# Altium PCB spin5v1_simple.PcbDoc (part 18 of 25)
Units mm, origin at the board's own origin, x right, y up, seen from the top; angles counter-clockwise.
Board outline 220.03 x 233.43 mm, 2 copper layers (TOP, BOTTOM), stack 0.176 mm thick; 1457 components, 4724 nets, 19245 pads, 25289 vias.
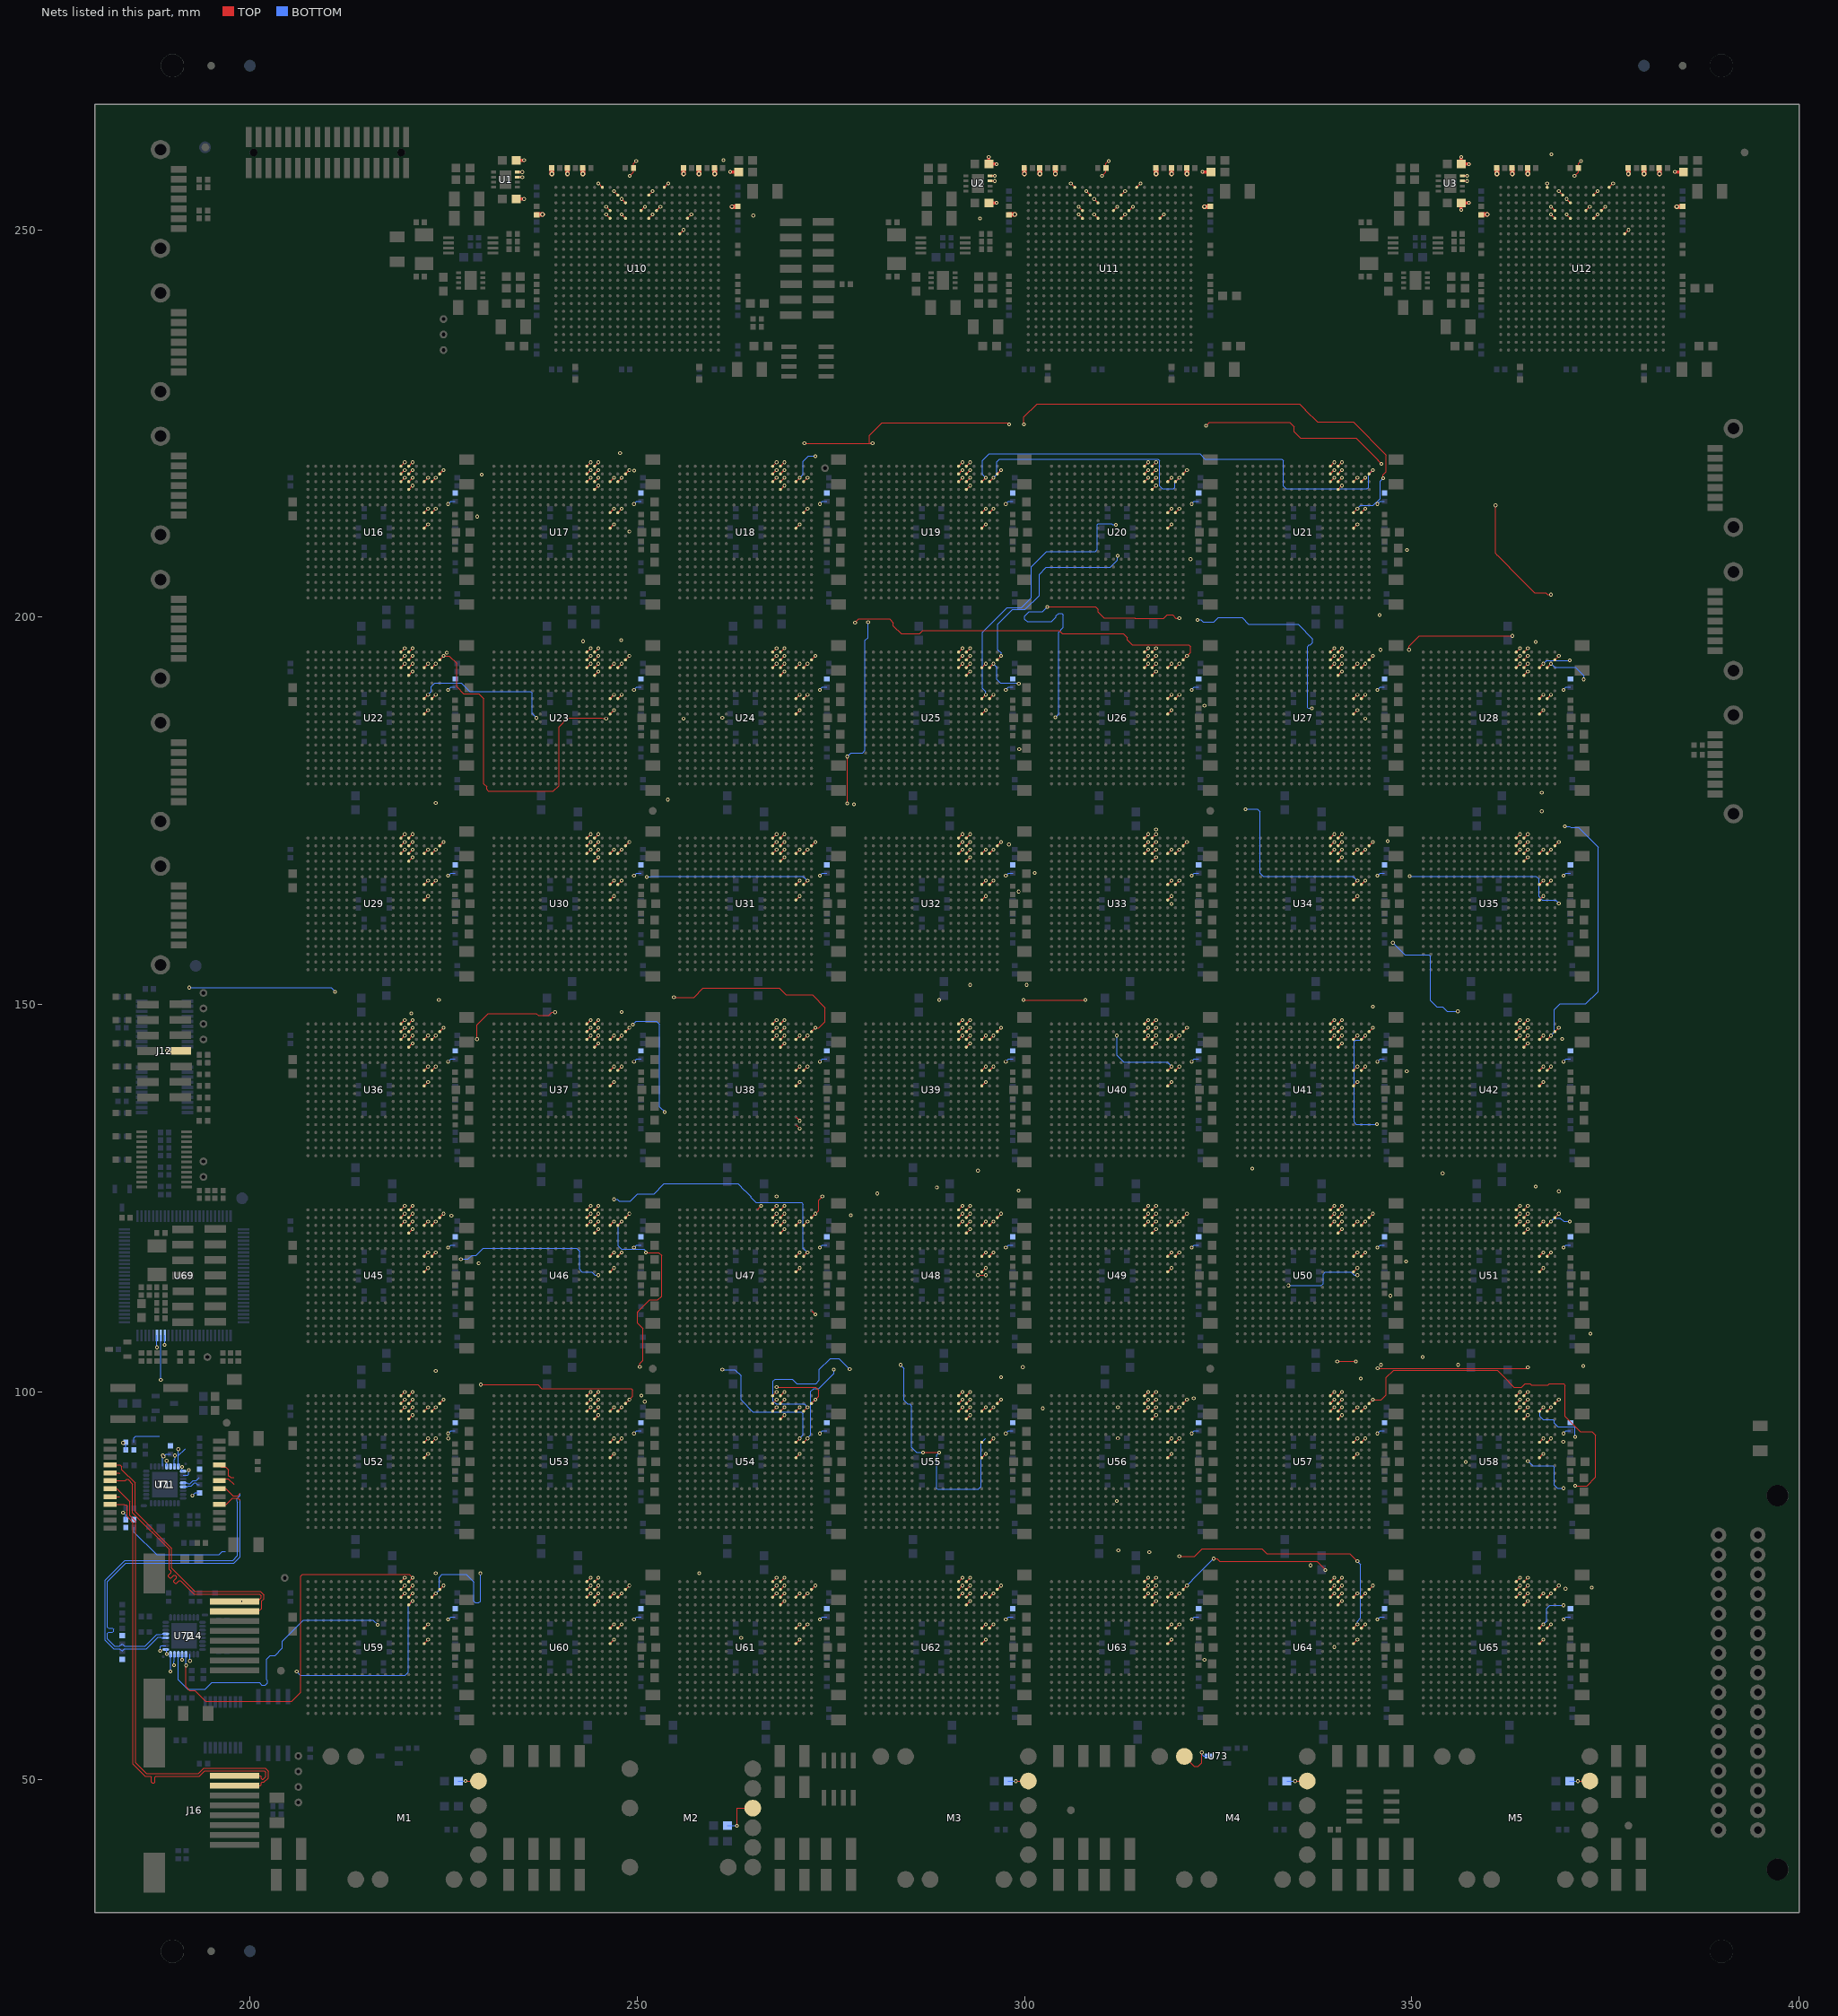
[diagram p18: the nets of this part, all layers, seen from the top]

## Via types
v1: diameter 0.48, hole 0.25, TOP to BOTTOM, 22348 vias
v2: diameter 0.61, hole 0.3, TOP to BOTTOM, 2059 vias
v3: diameter 0.8, hole 0, TOP to BOTTOM, 882 vias

## Nets (pads, with @x,y where several pads share a name; then routed paths per layer and width w, separated by ;. In a path a pad name is that pad's centre, name@x,y a point inside that pad or via, vN(x,y) a via of type N, cw(c..) or ccw(c..) an arc to the next point about the centre after c; other vN are vias at no path point) (continued)
TMS_3: J12.7 U16.C17 U17.C17 U18.C17 U19.C17 U20.C17 U21.C17 U22.C17 U23.C17 U24.C17 U25.C17 U26.C17 U27.C17 U28.C17 U29.C17 U30.C17 U31.C17 U32.C17 U33.C17 U34.C17 U35.C17 U36.C17 U37.C17 U38.C17 U39.C17 U40.C17 U41.C17 U42.C17 U45.C17 U46.C17 U47.C17 U48.C17 U49.C17 U50.C17 U51.C17 U52.C17 U53.C17 U54.C17 U55.C17 U56.C17 U57.C17 U58.C17 U59.C17 U60.C17 U61.C17 U62.C17 U63.C17 U64.C17 U65.C17 | length 257.1
  TOP w0.127: v1(250.345,103.24) 250.345,103.671 250.74,104.066 250.74,108.177 250.069,108.848 250.069,110.342 251.593,111.866 252.658,111.866 253.166,112.374 253.166,117.595 252.769,117.992 v1(251.107,117.992) ; v1(271.6,222.456) 279.968,222.456 ; v1(277.141,175.965) v1(277.141,182.025) ; v1(280.399,222.456) 279.968,222.456 ; v1(298.024,224.884) 297.793,225.115 281.619,225.115 279.968,223.464 279.968,222.456 ; v1(349.665,195.801) 349.665,196.255 350.999,197.589 v1(363,197.589)
  BOTTOM w0.127: v1(192.16,152.191) 210.47,152.191 v1(211,151.661) ; v1(224,74) 224.431,74.431 224.431,76.05 224.812,76.431 227.943,76.431 228.896,75.478 228.896,72.968 229.095,72.769 229.559,72.769 229.758,72.968 v1(229.758,76.57) ; v1(248,122) 247.569,121.569 247.569,118.812 247.95,118.431 250.867,118.431 251.107,118.191 v1(251.107,117.992) ; v1(249.431,147.43) 249.862,147.861 252.499,147.861 252.896,147.464 252.896,136.794 v1(253.556,136.134) ; v1(272,98) 271.569,98.431 267.95,98.431 267.569,98.812 267.569,101.394 267.823,101.648 270.058,101.648 270.62,101.086 273.083,101.086 273.528,101.531 273.528,102.917 274.925,104.314 276.059,104.314 v1(277.437,102.936) ; v1(277.141,182.025) 277.616,182.5 279.113,182.5 279.431,182.818 279.431,196.997 279.824,197.39 v1(279.824,199.358) ; v1(296,194) 296.432,193.568 296.432,191.949 296.877,191.504 299.214,191.504 v1(299.275,191.443) ; v1(296,218) 296.431,218.431 296.431,220.05 296.812,220.431 317.232,220.431 317.431,220.232 317.431,216.95 317.812,216.569 319.232,216.569 319.431,216.768 319.431,217.431 v1(320,218) ; v1(344,146) 343.431,145.431 342.768,145.431 342.569,145.232 342.569,134.812 342.823,134.558 v1(345.52,134.558) ; v1(368,122) 368.431,122.431 369.178,122.431 369.609,122 v1(370.431,122) ; v1(368,146) 368.432,146.432 368.432,149.331 369.194,150.093 372.496,150.093 374.084,151.681 374.084,170.304 371.544,172.844 370.566,172.844 370.403,173.007 v1(369.8,173.007) ; v1(368,194) 368.469,193.531 371.148,193.531 372.228,192.451 v1(372.228,191.97)
  other v1: 248,74 272,74 296,74 320,74 344,74 368,74 369.862,74.6 224,98 248,98 296,98 320,98 344,98 368,98 250.983,98.742 321.862,99.178 299.805,103.204 372.171,103.339 346.038,103.486 373.073,107.499 229.542,116.593 349.265,116.838 224,122 272,122 296,122 320,122 344,122 226.014,122.742 277.596,122.799 299.255,125.978 294,128.567 189.278,144.04 224,146 248,146 272,146 296,146 320,146 220.849,148.861 344.999,149.74 300.3,152.542 319,162.996 299.267,164.591 224,170 248,170 272,170 296,170 320,170 344,170 368,170 298,170.672 346.9,171.081 253.963,176.457 299.333,182.958 256,186.931 224,194 248,194 272,194 320,194 344,194 225.431,195.431 345.99,195.801 224,218 248,218 272,218 344,218 229.917,218.4
TRES: R165.1 U63.J16
  other v1: 319,68 321.592,70.629
TRES_48: R166.1 U62.J16
  other v1: 295,68 297.592,70.629
TRES_49: R167.1 U61.J16
  other v1: 271,68 273.592,70.629
TRES_50: R168.1 U60.J16
  other v1: 247,68 249.592,70.629
TRES_51: R58.1 U28.J16
  other v1: 367,188 369.592,190.629
TRES_52: R46.1 U21.J16
  other v1: 343,212 345.592,214.629
TRES_53: R48.1 U19.J16
  other v1: 295,212 297.592,214.629
TRES_54: R49.1 U18.J16
  other v1: 271,212 273.592,214.629
TRES_55: R50.1 U17.J16
  other v1: 247,212 249.592,214.629
TRES_56: R61.1 U25.J16
  other v1: 295,188 297.592,190.629
TRES_57: R47.1 U20.J16
  other v1: 319,212 321.592,214.629
TRES_58: R59.1 U27.J16
  other v1: 343,188 345.592,190.629
TRES_59: R72.1 U35.J16
  other v1: 367,164 369.592,166.629
TRES_60: R90.1 U42.J16
  other v1: 367,140 369.592,142.629
TRES_61: R73.1 U34.J16
  other v1: 343,164 345.592,166.629
TRES_62: R60.1 U26.J16
  other v1: 319,188 321.592,190.629
TRES_63: R62.1 U24.J16
  other v1: 271,188 273.592,190.629
TRES_64: R63.1 U23.J16
  other v1: 247,188 249.592,190.629
TRES_65: R51.1 U16.J16
  other v1: 223,212 225.592,214.629
TRES_66: R116.1 U51.J16
  other v1: 367,116 369.592,118.629
TRES_67: R91.1 U41.J16
  other v1: 343,140 345.592,142.629
TRES_68: R74.1 U33.J16
  other v1: 319,164 321.592,166.629
TRES_69: R75.1 U32.J16
  other v1: 295,164 297.592,166.629
TRES_70: R76.1 U31.J16
  other v1: 271,164 273.592,166.629
TRES_71: R77.1 U30.J16
  other v1: 247,164 249.592,166.629
TRES_72: R64.1 U22.J16
  other v1: 223,188 225.592,190.629
TRES_73: R133.1 U58.J16
  other v1: 367,92 369.592,94.629
TRES_74: R117.1 U50.J16
  other v1: 343,116 345.592,118.629
TRES_75: R92.1 U40.J16
  other v1: 319,140 321.592,142.629
TRES_76: R93.1 U39.J16
  other v1: 295,140 297.592,142.629
TRES_77: R94.1 U38.J16
  other v1: 271,140 273.592,142.629
TRES_78: R95.1 U37.J16
  other v1: 247,140 249.592,142.629
TRES_79: R96.1 U36.J16
  other v1: 223,140 225.592,142.629
TRES_80: R78.1 U29.J16
  other v1: 223,164 225.592,166.629
TRES_81: R163.1 U65.J16
  other v1: 367,68 369.592,70.629
TRES_82: R134.1 U57.J16
  other v1: 343,92 345.592,94.629
TRES_83: R118.1 U49.J16
  other v1: 319,116 321.592,118.629
TRES_84: R119.1 U48.J16
  other v1: 295,116 297.592,118.629
TRES_85: R120.1 U47.J16
  other v1: 271,116 273.592,118.629
TRES_86: R121.1 U46.J16
  other v1: 247,116 249.592,118.629
TRES_87: R122.1 U45.J16
  other v1: 223,116 225.592,118.629
TRES_88: R164.1 U64.J16
  other v1: 343,68 345.592,70.629
TRES_89: R135.1 U56.J16
  other v1: 319,92 321.592,94.629
TRES_90: R136.1 U55.J16
  other v1: 295,92 297.592,94.629
TRES_91: R137.1 U54.J16
  other v1: 271,92 273.592,94.629
TRES_92: R138.1 U53.J16
  other v1: 247,92 249.592,94.629
TRES_93: R139.1 U52.J16
  other v1: 223,92 225.592,94.629
TRES_94: R169.1 U59.J16
  other v1: 223,68 225.592,70.629
TT_12A: M1.9 R192.2 | length 2.6
  TOP w0.127: v1(227.842,49.77) M1.9@229.515,49.77
  BOTTOM w0.127: R192.2@226.9,49.75 227.842,49.75 v1(227.842,49.77)
TT_12B: M3.9 R191.2 | length 2.6
  TOP w0.127: v1(298.898,49.75) 300.515,49.75 M3.9@300.515,49.77
  BOTTOM w0.127: R191.2@297.9,49.75 v1(298.898,49.75)
TT_12C: M5.9 R189.2 | length 2.6
  TOP w0.127: v1(371.455,49.75) 373.015,49.75 M5.9@373.015,49.77
  BOTTOM w0.127: R189.2@370.4,49.75 v1(371.455,49.75)
TT_18: M4.9 R190.2 | length 2.6
  TOP w0.127: v1(334.955,49.75) 336.515,49.75 M4.9@336.515,49.77
  BOTTOM w0.127: R190.2@333.9,49.75 v1(334.955,49.75)
TT_33: M2.8 R197.2 | length 5.5
  TOP w0.127: v1(262.898,44) 262.898,46.27 M2.8@264.93,46.27
  BOTTOM w0.127: R197.2@261.65,44 v1(262.898,44)
TX1_MINUS: J16.2 T1.19 | length 61.2
  TOP w0.125: T1.19@181.95,87.51 182.836,87.51 184.496,85.85 184.496,84.023 185.252,83.267 185.252,52.106 186.621,50.737 193.363,50.737 194.038,51.412 201.985,51.412 202.367,51.03 202.367,50.172 201.838,49.643 201.578,49.643 201.453,49.518 201.453,49.295 201.328,49.17 J16.2@198,49.17
TX1_PLUS: J16.1 T1.21 | length 60.7
  TOP w0.125: T1.21@181.95,85.47 183.746,85.47 183.778,85.438 184.046,85.438 184.171,85.313 184.171,83.888 184.927,83.132 184.927,51.971 186.486,50.412 187.133,50.412 187.258,50.287 187.258,49.625 187.383,49.5 187.633,49.5 187.758,49.625 187.758,50.287 187.883,50.412 193.498,50.412 194.173,51.087 201.85,51.087 202.042,50.895 202.042,50.307 201.703,49.968 201.578,49.968 201.453,50.093 201.453,50.315 201.328,50.44 J16.1@198,50.44
TX2_MINUS: J14.2 T1.16 | length 57.2
  TOP w0.062: T1.16@181.95,90.57 183.235,90.57 183.462,90.343 183.462,89.948 185.171,88.239 ; 185.171,84.535 189.895,79.811 ; 189.895,77.243 192.917,74.221 ; J14.2@198,71.67 201.129,71.67 201.516,72.057 201.516,73.011 201.793,73.288 ; 201.372,74.221 201.793,73.8
  TOP w0.125: T1.16@181.95,90.57 183.235,90.57 183.462,90.343 183.462,89.948 185.171,88.239 185.171,84.535 189.895,79.811 189.895,77.243 192.917,74.221 201.372,74.221 201.793,73.8 201.793,73.288 201.516,73.011 201.516,72.057 201.129,71.67 J14.2@198,71.67
TX2_PLUS: J14.1 T1.18 | length 56.5
  TOP w0.062: T1.18@181.95,88.53 183.896,88.53 184.07,88.704 184.246,88.704 184.846,88.104 ; 184.846,84.4 189.57,79.676 ; 189.57,77.108 189.825,76.853 189.825,76.677 189.482,76.334 189.482,76.158 189.66,75.98 189.836,75.98 190.179,76.323 190.355,76.323 190.533,76.145 190.533,75.969 190.19,75.626 190.19,75.45 190.368,75.272 190.544,75.272 190.887,75.615 191.063,75.615 192.782,73.896 ; J14.1@198,72.94 200.974,72.94 201.468,73.434 ; 201.237,73.896 201.468,73.665
  TOP w0.125: T1.18@181.95,88.53 183.896,88.53 184.07,88.704 184.246,88.704 184.846,88.104 184.846,84.4 189.57,79.676 189.57,77.108 189.825,76.853 189.825,76.677 189.482,76.334 189.482,76.158 189.66,75.98 189.836,75.98 190.179,76.323 190.355,76.323 190.533,76.145 190.533,75.969 190.19,75.626 190.19,75.45 190.368,75.272 190.544,75.272 190.887,75.615 191.063,75.615 192.782,73.896 201.237,73.896 201.468,73.665 201.468,73.434 200.974,72.94 J14.1@198,72.94
  other v3: 198.962,72.966
TXCLK: U63.A14
  other v1: 317,76
TXCLK_48: U62.A14
  other v1: 293,76
TXCLK_49: U61.A14
  other v1: 269,76
TXCLK_50: U60.A14
  other v1: 245,76
TXCLK_51: U28.A14
  other v1: 365,196
TXCLK_52: U21.A14
  other v1: 341,220
TXCLK_53: U19.A14
  other v1: 293,220
TXCLK_54: U18.A14
  other v1: 269,220
TXCLK_55: U17.A14
  other v1: 245,220
TXCLK_56: U25.A14
  other v1: 293,196
TXCLK_57: U20.A14
  other v1: 317,220
TXCLK_58: U27.A14
  other v1: 341,196
TXCLK_59: U35.A14
  other v1: 365,172
TXCLK_60: U42.A14
  other v1: 365,148
TXCLK_61: U34.A14
  other v1: 341,172
TXCLK_62: U26.A14
  other v1: 317,196
TXCLK_63: U24.A14
  other v1: 269,196
TXCLK_64: U23.A14
  other v1: 245,196
TXCLK_65: U16.A14
  other v1: 221,220
TXCLK_66: U51.A14
  other v1: 365,124
TXCLK_67: U41.A14
  other v1: 341,148
TXCLK_68: U33.A14
  other v1: 317,172
TXCLK_69: U32.A14
  other v1: 293,172
TXCLK_70: U31.A14
  other v1: 269,172
TXCLK_71: U30.A14
  other v1: 245,172
TXCLK_72: U22.A14
  other v1: 221,196
TXCLK_73: U58.A14
  other v1: 365,100
TXCLK_74: U50.A14
  other v1: 341,124
TXCLK_75: U40.A14
  other v1: 317,148
TXCLK_76: U39.A14
  other v1: 293,148
TXCLK_77: U38.A14
  other v1: 269,148
TXCLK_78: U37.A14
  other v1: 245,148
TXCLK_79: U36.A14
  other v1: 221,148
TXCLK_80: U29.A14
  other v1: 221,172
TXCLK_81: U65.A14
  other v1: 365,76
TXCLK_82: U57.A14
  other v1: 341,100
TXCLK_83: U49.A14
  other v1: 317,124
TXCLK_84: U48.A14
  other v1: 293,124
TXCLK_85: U47.A14
  other v1: 269,124
TXCLK_86: U46.A14
  other v1: 245,124
TXCLK_87: U45.A14
  other v1: 221,124
TXCLK_88: U64.A14
  other v1: 341,76
TXCLK_89: U56.A14
  other v1: 317,100
TXCLK_90: U55.A14
  other v1: 293,100
TXCLK_91: U54.A14
  other v1: 269,100
TXCLK_92: U53.A14
  other v1: 245,100
TXCLK_93: U52.A14
  other v1: 221,100
TXCLK_94: U59.A14 U72.20 | length 48.5
  TOP w0.127: 191.75,64.687 191.75,61.949 192.225,61.474 192.867,61.474 194.294,60.047 205.418,60.047 206.569,61.198 206.569,76.232 206.768,76.431 220.569,76.431 v1(221,76)
  other v1: 192.25,65.262
TXCT1: R158.1 T1.20
  other v1: 183.629,84.408
TXCT2: R144.1 T1.17
  other v1: 183.629,93.408
TXD0: U69.95 U71.22
  other v1: 188,105.742
TXD1: U69.94 U71.23
  other v1: 188.5,101.567
TXD23: R142.1 U71.24 U71.25 | length 1.3
  BOTTOM w0.062: 190.71,91.722 191.65,92.662
  other v1: 191.242,90.316 188.842,91.629 190.75,92.596
TXD<0>: U63.B14
  other v1: 317,75
TXD<0>_48: U62.B14
  other v1: 293,75
TXD<0>_49: U61.B14
  other v1: 269,75
TXD<0>_50: U60.B14
  other v1: 245,75
TXD<0>_51: U28.B14
  other v1: 365,195
TXD<0>_52: U21.B14
  other v1: 341,219
TXD<0>_53: U19.B14
  other v1: 293,219
TXD<0>_54: U18.B14
  other v1: 269,219
TXD<0>_55: U17.B14
  other v1: 245,219
TXD<0>_56: U25.B14
  other v1: 293,195
TXD<0>_57: U20.B14
  other v1: 317,219
TXD<0>_58: U27.B14
  other v1: 341,195
TXD<0>_59: U35.B14
  other v1: 365,171
TXD<0>_60: U42.B14
  other v1: 365,147
TXD<0>_61: U34.B14
  other v1: 341,171
TXD<0>_62: U26.B14
  other v1: 317,195
TXD<0>_63: U24.B14
  other v1: 269,195
TXD<0>_64: U23.B14
  other v1: 245,195
TXD<0>_65: U16.B14
  other v1: 221,219
TXD<0>_66: U51.B14
  other v1: 365,123
TXD<0>_67: U41.B14
  other v1: 341,147
TXD<0>_68: U33.B14
  other v1: 317,171
TXD<0>_69: U32.B14
  other v1: 293,171
TXD<0>_70: U31.B14
  other v1: 269,171
TXD<0>_71: U30.B14
  other v1: 245,171
TXD<0>_72: U22.B14
  other v1: 221,195
TXD<0>_73: U58.B14
  other v1: 365,99
TXD<0>_74: U50.B14
  other v1: 341,123
TXD<0>_75: U40.B14
  other v1: 317,147
TXD<0>_76: U39.B14
  other v1: 293,147
TXD<0>_77: U38.B14
  other v1: 269,147
TXD<0>_78: U37.B14
  other v1: 245,147
TXD<0>_79: U36.B14
  other v1: 221,147
TXD<0>_80: U29.B14
  other v1: 221,171
TXD<0>_81: U65.B14
  other v1: 365,75
TXD<0>_82: U57.B14
  other v1: 341,99
TXD<0>_83: U49.B14
  other v1: 317,123
TXD<0>_84: U48.B14
  other v1: 293,123
TXD<0>_85: U47.B14
  other v1: 269,123
TXD<0>_86: U46.B14
  other v1: 245,123
TXD<0>_87: U45.B14
  other v1: 221,123
TXD<0>_88: U64.B14
  other v1: 341,75
TXD<0>_89: U56.B14
  other v1: 317,99
TXD<0>_90: U55.B14
  other v1: 293,99
TXD<0>_91: U54.B14
  other v1: 269,99
TXD<0>_92: U53.B14
  other v1: 245,99
TXD<0>_93: U52.B14
  other v1: 221,99
TXD<0>_94: U59.B14 U72.22 | length 36.2
  BOTTOM w0.127: U72.22@190.75,66.125 190.75,62.85 191.976,61.624 194.244,61.624 195.084,62.464 201.242,62.464 201.537,62.169 202.001,62.169 202.254,62.422 202.254,62.778 202.176,62.856 202.176,65.523 202.617,65.964 203.231,65.964 204.19,66.923 204.19,67.835 206.921,70.566 215.865,70.566 v1(216.498,69.933)
  other v1: 221,75
TXD<1>: U63.C14
  other v1: 317,74
TXD<1>_48: U62.C14
  other v1: 293,74
TXD<1>_49: U61.C14
  other v1: 269,74
TXD<1>_50: U60.C14
  other v1: 245,74
TXD<1>_51: U28.C14
  other v1: 365,194
TXD<1>_52: U21.C14
  other v1: 341,218
TXD<1>_53: U19.C14
  other v1: 293,218
TXD<1>_54: U18.C14
  other v1: 269,218
TXD<1>_55: U17.C14
  other v1: 245,218
TXD<1>_56: U25.C14
  other v1: 293,194
TXD<1>_57: U20.C14
  other v1: 317,218
TXD<1>_58: U27.C14
  other v1: 341,194
TXD<1>_59: U35.C14
  other v1: 365,170
TXD<1>_60: U42.C14
  other v1: 365,146
TXD<1>_61: U34.C14
  other v1: 341,170
TXD<1>_62: U26.C14
  other v1: 317,194
TXD<1>_63: U24.C14
  other v1: 269,194
TXD<1>_64: U23.C14
  other v1: 245,194
TXD<1>_65: U16.C14
  other v1: 221,218
TXD<1>_66: U51.C14
  other v1: 365,122
TXD<1>_67: U41.C14
  other v1: 341,146
TXD<1>_68: U33.C14
  other v1: 317,170
TXD<1>_69: U32.C14
  other v1: 293,170
TXD<1>_70: U31.C14
  other v1: 269,170
TXD<1>_71: U30.C14
  other v1: 245,170
TXD<1>_72: U22.C14
  other v1: 221,194
TXD<1>_73: U58.C14
  other v1: 365,98
TXD<1>_74: U50.C14
  other v1: 341,122
TXD<1>_75: U40.C14
  other v1: 317,146
TXD<1>_76: U39.C14
  other v1: 293,146
TXD<1>_77: U38.C14
  other v1: 269,146
TXD<1>_78: U37.C14
  other v1: 245,146
TXD<1>_79: U36.C14
  other v1: 221,146
TXD<1>_80: U29.C14
  other v1: 221,170
TXD<1>_81: U65.C14
  other v1: 365,74
TXD<1>_82: U57.C14
  other v1: 341,98
TXD<1>_83: U49.C14
  other v1: 317,122
TXD<1>_84: U48.C14
  other v1: 293,122
TXD<1>_85: U47.C14
  other v1: 269,122
TXD<1>_86: U46.C14
  other v1: 245,122
TXD<1>_87: U45.C14
  other v1: 221,122
TXD<1>_88: U64.C14
  other v1: 341,74
TXD<1>_89: U56.C14
  other v1: 317,98
TXD<1>_90: U55.C14
  other v1: 293,98
TXD<1>_91: U54.C14
  other v1: 269,98
TXD<1>_92: U53.C14
  other v1: 245,98
TXD<1>_93: U52.C14
  other v1: 221,98
TXD<1>_94: U59.C14 U72.23
  other v1: 221,74
TXD<2>: U63.D14
  other v1: 317,73
TXD<2>_48: U62.D14
  other v1: 293,73
TXD<2>_49: U61.D14
  other v1: 269,73
TXD<2>_50: U60.D14
  other v1: 245,73
TXD<2>_51: U28.D14
  other v1: 365,193
TXD<2>_52: U21.D14
  other v1: 341,217
TXD<2>_53: U19.D14
  other v1: 293,217
TXD<2>_54: U18.D14
  other v1: 269,217
TXD<2>_55: U17.D14
  other v1: 245,217
TXD<2>_56: U25.D14
  other v1: 293,193
TXD<2>_57: U20.D14
  other v1: 317,217
TXD<2>_58: U27.D14
  other v1: 341,193
TXD<2>_59: U35.D14
  other v1: 365,169
TXD<2>_60: U42.D14
  other v1: 365,145
TXD<2>_61: U34.D14
  other v1: 341,169
TXD<2>_62: U26.D14
  other v1: 317,193
TXD<2>_63: U24.D14
  other v1: 269,193
TXD<2>_64: U23.D14
  other v1: 245,193
TXD<2>_65: U16.D14
  other v1: 221,217
TXD<2>_66: U51.D14
  other v1: 365,121
TXD<2>_67: U41.D14
  other v1: 341,145
TXD<2>_68: U33.D14
  other v1: 317,169
TXD<2>_69: U32.D14
  other v1: 293,169
TXD<2>_70: U31.D14
  other v1: 269,169
TXD<2>_71: U30.D14
  other v1: 245,169
TXD<2>_72: U22.D14
  other v1: 221,193
TXD<2>_73: U58.D14
  other v1: 365,97
TXD<2>_74: U50.D14
  other v1: 341,121
TXD<2>_75: U40.D14
  other v1: 317,145
TXD<2>_76: U39.D14
  other v1: 293,145
TXD<2>_77: U38.D14
  other v1: 269,145
TXD<2>_78: U37.D14
  other v1: 245,145
TXD<2>_79: U36.D14
  other v1: 221,145
TXD<2>_80: U29.D14
  other v1: 221,169
TXD<2>_81: U65.D14
  other v1: 365,73
TXD<2>_82: U57.D14
  other v1: 341,97
TXD<2>_83: U49.D14
  other v1: 317,121
TXD<2>_84: U48.D14
  other v1: 293,121
TXD<2>_85: U47.D14
  other v1: 269,121
TXD<2>_86: U46.D14
  other v1: 245,121
TXD<2>_87: U45.D14
  other v1: 221,121
TXD<2>_88: U64.D14
  other v1: 341,73
TXD<2>_89: U56.D14
  other v1: 317,97
TXD<2>_90: U55.D14
  other v1: 293,97
TXD<2>_91: U54.D14
  other v1: 269,97
TXD<2>_92: U53.D14
  other v1: 245,97
TXD<2>_93: U52.D14
  other v1: 221,97
TXD<2>_94: U59.D14 U72.24 | length 24.2
  BOTTOM w0.127: v1(206.039,63.904) 206.509,63.434 220.05,63.434 220.431,63.815 220.431,72.431 v1(221,73)
  other v1: 189.75,63.904 190.181,64.704
TXD<3>: U63.A13
  other v1: 316,76
TXD<3>_48: U62.A13
  other v1: 292,76
TXD<3>_49: U61.A13
  other v1: 268,76
TXD<3>_50: U60.A13
  other v1: 244,76
TXD<3>_51: U28.A13
  other v1: 364,196
TXD<3>_52: U21.A13
  other v1: 340,220
TXD<3>_53: U19.A13
  other v1: 292,220
TXD<3>_54: U18.A13
  other v1: 268,220
TXD<3>_55: U17.A13
  other v1: 244,220
TXD<3>_56: U25.A13
  other v1: 292,196
TXD<3>_57: U20.A13
  other v1: 316,220
TXD<3>_58: U27.A13
  other v1: 340,196
TXD<3>_59: U35.A13
  other v1: 364,172
TXD<3>_60: U42.A13
  other v1: 364,148
TXD<3>_61: U34.A13
  other v1: 340,172
TXD<3>_62: U26.A13
  other v1: 316,196
TXD<3>_63: U24.A13
  other v1: 268,196
TXD<3>_64: U23.A13
  other v1: 244,196
TXD<3>_65: U16.A13
  other v1: 220,220
TXD<3>_66: U51.A13
  other v1: 364,124
TXD<3>_67: U41.A13
  other v1: 340,148
TXD<3>_68: U33.A13
  other v1: 316,172
TXD<3>_69: U32.A13
  other v1: 292,172
TXD<3>_70: U31.A13
  other v1: 268,172
TXD<3>_71: U30.A13
  other v1: 244,172
TXD<3>_72: U22.A13
  other v1: 220,196
TXD<3>_73: U58.A13
  other v1: 364,100
TXD<3>_74: U50.A13
  other v1: 340,124
TXD<3>_75: U40.A13
  other v1: 316,148
TXD<3>_76: U39.A13
  other v1: 292,148
TXD<3>_77: U38.A13
  other v1: 268,148
TXD<3>_78: U37.A13
  other v1: 244,148
TXD<3>_79: U36.A13
  other v1: 220,148
TXD<3>_80: U29.A13
  other v1: 220,172
TXD<3>_81: U65.A13
  other v1: 364,76
TXD<3>_82: U57.A13
  other v1: 340,100
TXD<3>_83: U49.A13
  other v1: 316,124
TXD<3>_84: U48.A13
  other v1: 292,124
TXD<3>_85: U47.A13
  other v1: 268,124
TXD<3>_86: U46.A13
  other v1: 244,124
TXD<3>_87: U45.A13
  other v1: 220,124
TXD<3>_88: U64.A13
  other v1: 340,76
TXD<3>_89: U56.A13
  other v1: 316,100
TXD<3>_90: U55.A13
  other v1: 292,100
TXD<3>_91: U54.A13
  other v1: 268,100
TXD<3>_92: U53.A13
  other v1: 244,100
TXD<3>_93: U52.A13
  other v1: 220,100
TXD<3>_94: U59.A13 U72.25
  other v1: 189.258,66.184 188.408,66.584 220,76
TXEN: U69.93 U71.21
  other v1: 189.25,91.092 190.319,91.796 188.75,91.813 189,106.085
TXEN_49: U63.B13
  other v1: 316,75
TXEN_50: U62.B13
  other v1: 292,75
TXEN_51: U61.B13
  other v1: 268,75
TXEN_52: U60.B13
  other v1: 244,75
TXEN_53: U28.B13
  other v1: 364,195
TXEN_54: U21.B13
  other v1: 340,219
TXEN_55: U19.B13
  other v1: 292,219
TXEN_56: U18.B13
  other v1: 268,219
TXEN_57: U17.B13
  other v1: 244,219
TXEN_58: U25.B13
  other v1: 292,195
TXEN_59: U20.B13
  other v1: 316,219
TXEN_60: U27.B13
  other v1: 340,195
TXEN_61: U35.B13
  other v1: 364,171
TXEN_62: U42.B13
  other v1: 364,147
TXEN_63: U34.B13
  other v1: 340,171
TXEN_64: U26.B13
  other v1: 316,195
TXEN_65: U24.B13
  other v1: 268,195
TXEN_66: U23.B13
  other v1: 244,195
TXEN_67: U16.B13
  other v1: 220,219
TXEN_68: U51.B13
  other v1: 364,123
TXEN_69: U41.B13
  other v1: 340,147
TXEN_70: U33.B13
  other v1: 316,171
TXEN_71: U32.B13
  other v1: 292,171
TXEN_72: U31.B13
  other v1: 268,171
TXEN_73: U30.B13
  other v1: 244,171
TXEN_74: U22.B13
  other v1: 220,195
TXEN_75: U58.B13
  other v1: 364,99
TXEN_76: U50.B13
  other v1: 340,123
TXEN_77: U40.B13
  other v1: 316,147
TXEN_78: U39.B13
  other v1: 292,147
TXEN_79: U38.B13
  other v1: 268,147
TXEN_80: U37.B13
  other v1: 244,147
TXEN_81: U36.B13
  other v1: 220,147
TXEN_82: U29.B13
  other v1: 220,171
TXEN_83: U65.B13
  other v1: 364,75
TXEN_84: U57.B13
  other v1: 340,99
TXEN_85: U49.B13
  other v1: 316,123
TXEN_86: U48.B13
  other v1: 292,123
TXEN_87: U47.B13
  other v1: 268,123
TXEN_88: U46.B13
  other v1: 244,123
TXEN_89: U45.B13
  other v1: 220,123
TXEN_90: U64.B13
  other v1: 340,75
TXEN_91: U56.B13
  other v1: 316,99
TXEN_92: U55.B13
  other v1: 292,99
TXEN_93: U54.B13
  other v1: 268,99
TXEN_94: U53.B13
  other v1: 244,99
TXEN_95: U52.B13
  other v1: 220,99
TXEN_96: U59.B13 U72.21
  other v1: 191.75,64.687 191.25,65.408 220,75
TXERR: U63.C13
  other v1: 316,74
TXERR_48: U62.C13
  other v1: 292,74
TXERR_49: U61.C13
  other v1: 268,74
TXERR_50: U60.C13
  other v1: 244,74
TXERR_51: U28.C13
  other v1: 364,194
TXERR_52: U21.C13
  other v1: 340,218
TXERR_53: U19.C13
  other v1: 292,218
TXERR_54: U18.C13
  other v1: 268,218
TXERR_55: U17.C13
  other v1: 244,218
TXERR_56: U25.C13
  other v1: 292,194
TXERR_57: U20.C13
  other v1: 316,218
TXERR_58: U27.C13
  other v1: 340,194
TXERR_59: U35.C13
  other v1: 364,170
TXERR_60: U42.C13
  other v1: 364,146
TXERR_61: U34.C13
  other v1: 340,170
TXERR_62: U26.C13
  other v1: 316,194
TXERR_63: U24.C13
  other v1: 268,194
TXERR_64: U23.C13
  other v1: 244,194
TXERR_65: U16.C13
  other v1: 220,218
TXERR_66: U51.C13
  other v1: 364,122
TXERR_67: U41.C13
  other v1: 340,146
TXERR_68: U33.C13
  other v1: 316,170
TXERR_69: U32.C13
  other v1: 292,170
TXERR_70: U31.C13
  other v1: 268,170
TXERR_71: U30.C13
  other v1: 244,170
TXERR_72: U22.C13
  other v1: 220,194
TXERR_73: U58.C13
  other v1: 364,98
TXERR_74: U50.C13
  other v1: 340,122
TXERR_75: U40.C13
  other v1: 316,146
TXERR_76: U39.C13
  other v1: 292,146
TXERR_77: U38.C13
  other v1: 268,146
TXERR_78: U37.C13
  other v1: 244,146
TXERR_79: U36.C13
  other v1: 220,146
TXERR_80: U29.C13
  other v1: 220,170
TXERR_81: U65.C13
  other v1: 364,74
TXERR_82: U57.C13
  other v1: 340,98
TXERR_83: U49.C13
  other v1: 316,122
TXERR_84: U48.C13
  other v1: 292,122
TXERR_85: U47.C13
  other v1: 268,122
TXERR_86: U46.C13
  other v1: 244,122
TXERR_87: U45.C13
  other v1: 220,122
TXERR_88: U64.C13
  other v1: 340,74
TXERR_89: U56.C13
  other v1: 316,98
TXERR_90: U55.C13
  other v1: 292,98
TXERR_91: U54.C13
  other v1: 268,98
TXERR_92: U53.C13
  other v1: 244,98
TXERR_93: U52.C13
  other v1: 220,98
TXERR_94: U59.C13
  other v1: 220,74
TXN_B: R147.2 T1.9 U71.28 | length 2.5
  BOTTOM w0.125: U71.28@191.375,88.25 191.915,88.25 192.003,88.162 192.27,88.162 192.673,88.565 193.095,88.565 193.5,88.97
  other v1: 192.092,89.916
TXN_S: R175.2 T1.6 U72.28 | length 43.6
  BOTTOM w0.125: U72.28@189.125,68.25 188.584,68.25 188.497,68.337 188.128,68.337 186.628,66.837 183.807,66.837 183.5,66.53 183.192,66.838 182.419,66.838 181.301,67.956 181.301,75.678 183.863,78.24 197.795,78.24 198.41,78.855 198.41,85.797 198.338,85.869 198.338,86.225 198.768,86.655 198.768,86.916
TXP_B: R148.2 T1.7 U71.29 | length 2.4
  BOTTOM w0.125: U71.29@191.375,87.75 191.916,87.75 192.003,87.837 192.405,87.837 192.808,88.24 192.998,88.24 193.208,88.03 193.5,88.03
  other v1: 192.592,86.629
TXP_S: R173.2 T1.4 U72.29 | length 43.3
  BOTTOM w0.125: U72.29@189.125,68.75 188.585,68.75 188.497,68.662 187.993,68.662 186.493,67.162 183.808,67.162 183.5,67.47 183.193,67.163 182.554,67.163 181.626,68.091 181.626,68.861 181.751,68.986 182.266,68.986 182.391,69.111 182.391,69.361 182.266,69.486 181.751,69.486 181.626,69.611 181.626,75.543 183.998,77.915 197.93,77.915 198.735,78.72 198.735,86.014 198.768,86.047
TXRX1_DECOUP: R158.2 R159.2 | length 13.8
  BOTTOM w0.127: 185.03,82.5 185.03,81.907 187.951,78.986 196.02,78.986 196.427,79.393 196.858,79.393
TXRX2_DECOUP: R141.2 R144.2 | length 4
  BOTTOM w0.127: 185.03,93.5 185.03,94.078 185.229,94.277 188.333,94.277
UNNAMED_1_NPNSM_I101_C: M4.11 U73.3
  other v1: 322.899,53.45
UNNAMED_1_SPIN5FPGA_I19_TDO: U10.E18 U12.G17
  other v1: 378,250 257,252 261.135,259 368.042,259.774
UNNAMED_1_SPIN5FPGA_I20_TDO: U10.G17 U11.E18
  other v1: 256,250 294.267,251.465 264.985,251.865 318,252
UNNAMED_1_SPIN5NODE_I162_CLK10: U62.G16 U63.G17
  other v1: 295,70 320,70
UNNAMED_1_SPIN5NODE_I162_NCLK10: U63.G16 U64.G17
  other v1: 323.252,65.408 340,67.067 319,70 344,70
UNNAMED_1_SPIN5NODE_I162_TDI: U62.B18 U63.C16
  other v1: 319,74 297,75
UNNAMED_1_SPIN5NODE_I162_TDO: U63.B18 U64.C16 | length 20
  TOP w0.127: v1(324.434,78.474) 324.865,78.474 325.242,78.097 337.778,78.097 v1(338.875,77)
  BOTTOM w0.127: v1(321,75) 321.685,75.685 321.685,75.732 323.146,77.193 323.153,77.193 v1(324.434,78.474)
  other v1: 343,74
UNNAMED_1_SPIN5NODE_I163_CLK10: U61.G16 U62.G17
  other v1: 271,70 296,70
UNNAMED_1_SPIN5NODE_I163_TDI: U61.B18 U62.C16
  other v1: 295,74 273,75
UNNAMED_1_SPIN5NODE_I164_CLK10: U60.G16 U61.G17
  other v1: 263.432,68.258 247,70 272,70
UNNAMED_1_SPIN5NODE_I164_TDI: U60.B18 U61.C16
  other v1: 271,74 249,75 258,76.607
UNNAMED_1_SPIN5NODE_I165_CLK10: U59.G16 U60.G17
  other v1: 223,70 248,70 224,76.607
UNNAMED_1_SPIN5NODE_I165_TDI: U59.B18 U60.C16
  other v1: 247,74 225,75
UNNAMED_1_SPIN5NODE_I167_CLK10: U28.G17 U35.G16
  other v1: 367,166 368,190
UNNAMED_1_SPIN5NODE_I167_NCLK10: U21.G17 U28.G16
  other v1: 367,190 349.392,208.672 344,214
UNNAMED_1_SPIN5NODE_I167_TDI: U28.C16 U35.B18 | length 3.6
  BOTTOM w0.127: v1(367,194) 367.431,194.431 v1(370.4,194.431)
  other v1: 369,171
UNNAMED_1_SPIN5NODE_I167_TDO: U21.C16 U28.B18 | length 15.6
  TOP w0.127: v1(360.835,214.439) 360.835,208.239 361.034,208.04 361.042,208.04 362.63,206.452 362.63,206.396 365.869,203.157 367.338,203.157 367.569,202.926 v1(368,202.926)
  other v1: 369,195 343,218
UNNAMED_1_SPIN5NODE_I168_NCLK10: U19.G17 U21.G16 | length 60.6
  TOP w0.127: v1(299.935,224.884) 299.935,225.838 301.65,227.553 335.515,227.553 336.309,226.759 336.309,226.729 337.833,225.205 342.46,225.205 346.715,220.95 346.715,218.764 346.328,218.377 v1(346.328,217.946)
  BOTTOM w0.127: v1(343,214) 343.431,214.431 345.05,214.431 345.939,215.32 345.939,217.557 v1(346.328,217.946)
  other v1: 296,214
UNNAMED_1_SPIN5NODE_I168_TDO: U19.C16 U21.B18 | length 59
  BOTTOM w0.127: v1(295,218) 294.569,218.431 294.569,220.227 295.458,221.116 322.651,221.116 323.336,220.431 333.232,220.431 333.431,220.232 333.431,216.95 333.812,216.569 344.232,216.569 344.431,216.768 344.431,218.431 v1(345,219)
UNNAMED_1_SPIN5NODE_I169_NCLK10: U18.G17 U19.G16
  other v1: 272,214 295,214
UNNAMED_1_SPIN5NODE_I169_TDO: U18.C16 U19.B18 | length 4.1
  BOTTOM w0.127: v1(271,218) 271.431,218.431 271.431,220.101 272.13,220.8 v1(273,220.8)
  other v1: 297,219
UNNAMED_1_SPIN5NODE_I171_CLK10: U16.G16 U17.G17
  other v1: 223,214 248,214 247.793,221.2
UNNAMED_1_SPIN5NODE_I171_NCLK10: U17.G16 U25.G17
  other v1: 296,190 249,211.067 247,214
UNNAMED_1_SPIN5NODE_I171_TDI: U16.B18 U17.C16
  other v1: 247,218 249.607,218.933 225,219
UNNAMED_1_SPIN5NODE_I171_TDO: U17.B18 U25.C16
  other v1: 295,194 249,219
UNNAMED_1_SPIN5NODE_I172_NCLK10: U20.G17 U25.G16 | length 35.6
  BOTTOM w0.127: v1(295,190) 295,190.391 294.569,190.822 294.569,198.071 297.744,201.246 299.626,201.246 300.896,202.516 300.896,206.536 302.865,208.505 309.177,208.505 309.431,208.759 309.431,211.966 309.531,212.066 311.256,212.066 311.394,211.928 v1(311.825,211.928)
  other v1: 320,214
UNNAMED_1_SPIN5NODE_I172_TDO: U20.C16 U25.B18 | length 25.3
  BOTTOM w0.127: v1(297,195) 297,195.391 296.569,195.822 296.569,199.087 298.474,200.992 300.08,200.992 301.922,202.834 301.922,205.542 302.811,206.431 311.078,206.431 312.031,207.384 v1(312.031,207.935)
  other v1: 319,218
UNNAMED_1_SPIN5NODE_I173_NCLK10: U20.G16 U27.G17 | length 26.1
  BOTTOM w0.127: v1(322.37,199.665) 322.801,199.665 323.054,199.412 324.496,199.412 325.026,199.942 328.092,199.942 328.937,199.097 335.326,199.097 337.231,197.192 337.231,196.749 336.913,196.431 336.768,196.431 336.569,196.232 336.569,188.358 336.669,188.258 v1(337.126,188.258)
  other v1: 344,190 321.463,207.5 319,214
UNNAMED_1_SPIN5NODE_I173_TDO: U20.B18 U27.C16 | length 25.5
  TOP w0.127: v1(323.455,224.721) 323.887,225.153 334.26,225.153 334.832,224.581 334.832,223.97 335.658,223.144 342.827,223.144 345.685,220.286 345.685,220.216 v1(346.116,219.785)
  other v1: 343,194 345.864,200.304 321,219
UNNAMED_1_SPIN5NODE_I174_NCLK10: U27.G16 U35.G17
  other v1: 368,166 366.8,174.957 366.8,177.345 344,186.931 343,190
UNNAMED_1_SPIN5NODE_I174_TDO: U27.B18 U35.C16
  other v1: 367,170 345,195 366,196.807
UNNAMED_1_SPIN5NODE_I176_CLK10: U42.G17 U51.G16
  other v1: 367,118 368,142
UNNAMED_1_SPIN5NODE_I176_NCLK10: U34.G17 U42.G16 | length 15.4
  BOTTOM w0.127: v1(347.578,157.979) 349.126,156.431 352.232,156.431 352.431,156.232 352.431,150.486 353.225,149.692 354.024,149.692 354.6,149.116 v1(355.966,149.116)
  other v1: 367,142 344,166
UNNAMED_1_SPIN5NODE_I176_TDI: U42.C16 U51.B18
  other v1: 369,123 369.431,145.57 367,146
UNNAMED_1_SPIN5NODE_I176_TDO: U34.C16 U42.B18 | length 22
  BOTTOM w0.127: v1(349.744,166.566) 366.05,166.566 366.431,166.185 366.431,163.945 366.876,163.5 368.567,163.5 v1(369,163.067)
  other v1: 369,147 343,170
UNNAMED_1_SPIN5NODE_I177_NCLK10: U26.G17 U34.G16 | length 22.9
  BOTTOM w0.127: v1(328.531,175.221) 330.113,175.221 330.431,174.903 330.431,166.947 330.812,166.566 342.434,166.566 v1(343,166)
  other v1: 323.252,188.592 320,190
UNNAMED_1_SPIN5NODE_I177_TDO: U26.C16 U34.B18
  other v1: 345,171 319,194
UNNAMED_1_SPIN5NODE_I178_NCLK10: U24.G17 U26.G16 | length 41.5
  TOP w0.127: v1(302.971,201.344) 309.186,201.344 309.504,201.026 309.504,200.682 310.298,199.888 314.261,199.888 314.284,199.865 317.993,199.865 318.424,200.296 319.139,200.296 319.569,199.866 v1(320,199.866)
  BOTTOM w0.127: v1(302.971,201.344) 302.57,200.943 302.57,200.937 302.371,200.738 300.606,200.738 300.034,200.166 300.034,199.763 300.352,199.445 303.516,199.445 304.088,200.017 304.088,200.199 304.406,200.517 304.832,200.517 305.031,200.318 305.031,198.676 304.432,198.077 304.432,187.501 v1(304,187.069)
  other v1: 272,190 319,190
UNNAMED_1_SPIN5NODE_I178_TDO: U24.C16 U26.B18 | length 47.1
  TOP w0.127: v1(278.139,199.306) 278.622,199.789 282.577,199.789 283.085,199.281 283.085,198.889 284.101,197.873 286.492,197.873 286.909,198.29 304.472,198.29 304.893,197.869 312.777,197.869 313.285,197.361 313.285,197.066 313.92,196.431 321.232,196.431 321.431,196.232 321.431,195.431 v1(321,195)
  other v1: 271,194
UNNAMED_1_SPIN5NODE_I179_NCLK10: U23.G17 U24.G16
  other v1: 261,187.035 248,190 271,190
UNNAMED_1_SPIN5NODE_I179_TDO: U23.C16 U24.B18
  other v1: 247,194 273,195 247.931,197.028
UNNAMED_1_SPIN5NODE_I180_NCLK10: U16.G17 U23.G16
  other v1: 247,190 243,196.9 229.344,213.007 224,214
UNNAMED_1_SPIN5NODE_I180_TDO: U16.C16 U23.B18
  other v1: 249,195 223,218
UNNAMED_1_SPIN5NODE_I182_CLK10: U41.G16 U51.G17
  other v1: 368,118 369.001,125.898 349.367,141.4 343,142
UNNAMED_1_SPIN5NODE_I182_TDI: U41.B18 U51.C16
  other v1: 367,122 366,126.506 354,128.215 345,147
UNNAMED_1_SPIN5NODE_I183_CLK10: U33.G16 U41.G17
  other v1: 344,142 319,166
UNNAMED_1_SPIN5NODE_I183_TDI: U33.B18 U41.C16
  other v1: 343,146 321,171
UNNAMED_1_SPIN5NODE_I184_CLK10: U32.G16 U33.G17
  other v1: 295,166 320,166 301.329,167 317,172.607
UNNAMED_1_SPIN5NODE_I184_TDI: U32.B18 U33.C16
  other v1: 319,170 297,171
UNNAMED_1_SPIN5NODE_I185_CLK10: U31.G16 U32.G17
  other v1: 271,166 296,166
UNNAMED_1_SPIN5NODE_I185_TDI: U31.B18 U32.C16
  other v1: 295,170 273,171
UNNAMED_1_SPIN5NODE_I186_CLK10: U30.G16 U31.G17 | length 21
  BOTTOM w0.127: v1(251.237,166.473) 251.668,166.473 251.761,166.566 271.434,166.566 v1(272,166)
  other v1: 247,166
UNNAMED_1_SPIN5NODE_I186_TDI: U30.B18 U31.C16
  other v1: 271,170 249,171 278.003,175.859
UNNAMED_1_SPIN5NODE_I187_CLK10: U22.G16 U30.G17 | length 18.4
  BOTTOM w0.127: v1(223,190) 223.431,190.431 223.431,191.051 223.876,191.496 227.305,191.496 228.37,190.431 236.232,190.431 236.431,190.232 236.431,187.569 v1(237,187)
  other v1: 248,166
UNNAMED_1_SPIN5NODE_I187_TDI: U22.B18 U30.C16 | length 45
  TOP w0.127: v1(225,195) 225.749,195 226.702,194.047 226.702,191.023 227.591,190.134 229.56,190.134 230.195,189.499 230.195,178.511 230.569,178.137 230.569,177.768 230.768,177.569 239.192,177.569 239.891,178.268 239.891,185.853 241.034,186.996 245.504,186.996 245.569,186.931 v1(246,186.931)
  other v1: 247,170
UNNAMED_1_SPIN5NODE_I188_CLK10: U22.G17 U29.G16
  other v1: 223,166 224,190
UNNAMED_1_SPIN5NODE_I188_TDI: U22.C16 U29.B18
  other v1: 225,171 224,176.015 223,194
UNNAMED_1_SPIN5NODE_I189_CLK10: U58.G17 U65.G16 | length 4.6
  BOTTOM w0.127: v1(367,70) 367.432,70.432 367.432,72.049 367.829,72.446 v1(369.602,72.446)
  other v1: 369.582,93.566 368,94
UNNAMED_1_SPIN5NODE_I189_NCLK10: U50.G17 U58.G16 | length 19.4
  TOP w0.127: v1(345.608,103.055) 364.885,103.055 v1(365,103.17)
  other v1: 367,94 344,118
UNNAMED_1_SPIN5NODE_I189_TDI: U58.C16 U65.B18 | length 7.8
  BOTTOM w0.127: v1(367,98) 366.569,97.569 366.569,96.812 366.95,96.431 368.232,96.431 368.431,96.232 368.431,95.941 368.876,95.496 370.979,95.496 371.106,95.369 v1(371.106,94.193)
  other v1: 369,75
UNNAMED_1_SPIN5NODE_I189_TDO: U50.C16 U58.B18
  other v1: 369,99 356,103.486 351.415,104.493 347.237,112.4 343,122
UNNAMED_1_SPIN5NODE_I190_NCLK10: U40.G17 U50.G16
  other v1: 343,118 320,142
UNNAMED_1_SPIN5NODE_I190_TDO: U40.C16 U50.B18
  other v1: 345,123 329.4,128.807 319,146
UNNAMED_1_SPIN5NODE_I191_NCLK10: U39.G17 U40.G16 | length 10.2
  BOTTOM w0.127: v1(311.931,146) 311.931,143.455 312.82,142.566 318.434,142.566 v1(319,142)
  other v1: 296,142
UNNAMED_1_SPIN5NODE_I191_TDO: U39.C16 U40.B18 | length 8
  TOP w0.127: v1(299.869,150.589) v1(307.863,150.589)
  other v1: 295,146 321,147
UNNAMED_1_SPIN5NODE_I192_NCLK10: U38.G17 U39.G16
  other v1: 272,142 295,142 289,150.589
UNNAMED_1_SPIN5NODE_I192_TDO: U38.C16 U39.B18
  other v1: 271,146 297,147 293,152.543
UNNAMED_1_SPIN5NODE_I193_NCLK10: U37.G17 U38.G16
  other v1: 248,142 271,142 248,149.029
UNNAMED_1_SPIN5NODE_I193_TDO: U37.C16 U38.B18 | length 24.5
  TOP w0.127: v1(254.741,150.934) 257.346,150.934 258.531,152.119 268.372,152.119 268.571,151.92 268.571,151.893 269.206,151.258 272.611,151.258 274.262,149.607 274.262,147.794 273.468,147 v1(273,147)
  other v1: 271,134 271,135 247,146
UNNAMED_1_SPIN5NODE_I194_NCLK10: U36.G17 U37.G16
  other v1: 224,142 247,142
UNNAMED_1_SPIN5NODE_I194_TDO: U36.C16 U37.B18 | length 12.8
  TOP w0.127: v1(229.317,145.535) 229.317,147.401 230.778,148.862 236.983,148.862 237.248,148.597 238.566,148.597 238.969,149 v1(239.4,149)
  other v1: 223,146 249,147
UNNAMED_1_SPIN5NODE_I195_NCLK10: U29.G17 U36.G16
  other v1: 223,142 224.4,150.586 224,166
UNNAMED_1_SPIN5NODE_I195_TDO: U29.C16 U36.B18
  other v1: 225,147 223,170
UNNAMED_1_SPIN5NODE_I197_CLK10: U57.G16 U65.G17 | length 7.4
  BOTTOM w0.127: v1(365,91.068) 365.637,90.431 368.232,90.431 368.431,90.232 368.431,87.95 368.812,87.569 v1(369.607,87.569)
  other v1: 368,70 357,90.965 343,94
UNNAMED_1_SPIN5NODE_I197_TDI: U57.B18 U65.C16 | length 46.5
  TOP w0.127: v1(345,99) 346.09,99 346.725,99.635 346.725,101.848 347.678,102.801 361.046,102.801 362.57,101.277 362.57,101.211 363.205,100.576 364.2,100.576 364.662,101.038 365.276,101.038 365.448,100.866 367.615,100.866 367.787,101.038 369.632,101.038 369.831,100.839 369.831,96.847 371.8,94.878 373.265,94.878 373.773,94.37 373.773,89.009 372.63,87.866 v1(371.105,87.866)
  other v1: 367,74 373.265,74.722
UNNAMED_1_SPIN5NODE_I198_CLK10: U49.G16 U57.G17 | length 10.5
  BOTTOM w0.127: v1(334.089,113.742) 338.315,113.742 338.569,113.996 338.569,115.212 338.823,115.466 342.17,115.466 342.569,115.067 v1(343,115.067)
  other v1: 344,94 343.43,101.723 319,118
UNNAMED_1_SPIN5NODE_I198_TDI: U49.B18 U57.C16 | length 2.4
  TOP w0.127: v1(340.4,103.935) v1(342.8,103.935)
  other v1: 343,98 321,123
UNNAMED_1_SPIN5NODE_I199_CLK10: U48.G16 U49.G17
  other v1: 295,118 320,118
UNNAMED_1_SPIN5NODE_I199_TDI: U48.B18 U49.C16
  other v1: 319,122 297,123
UNNAMED_1_SPIN5NODE_I200_CLK10: U47.G16 U48.G17 | length 1
  TOP w0.127: v1(294,115.069) v1(295,115.069)
  other v1: 271,118 296,118
UNNAMED_1_SPIN5NODE_I200_TDI: U47.B18 U48.C16 | length 2.6
  TOP w0.127: v1(273,123) 273.431,123.431 273.431,124.754 v1(273.91,125.233)
  other v1: 295,122 281,125.604 288.687,126.404
UNNAMED_1_SPIN5NODE_I201_CLK10: U46.G16 U47.G17 | length 33.1
  BOTTOM w0.127: v1(247,124.862) 247.431,124.862 247.662,124.631 249.131,124.631 249.231,124.731 249.231,124.753 250.025,125.547 252.177,125.547 253.496,126.866 262.995,126.866 263.829,126.032 263.875,126.032 264.701,125.206 264.701,125.066 265.336,124.431 271.232,124.431 271.431,124.232 271.431,118.569 v1(272,118)
  other v1: 273,110 247,118 266,124
UNNAMED_1_SPIN5NODE_I201_TDI: U46.B18 U47.C16
  other v1: 271,122 249,123 268,125.237
UNNAMED_1_SPIN5NODE_I202_CLK10: U45.G16 U46.G17 | length 21.2
  BOTTOM w0.127: v1(227.237,117.131) 228.17,117.131 228.67,117.631 229.223,117.631 230.158,118.566 242.164,118.566 242.561,118.169 242.561,115.817 242.879,115.499 244.139,115.499 244.569,115.069 v1(245,115.069)
  other v1: 223,118 248,118
UNNAMED_1_SPIN5NODE_I202_TDI: U45.B18 U46.C16
  other v1: 247,122 225,123
UNNAMED_1_SPIN5NODE_I203_CLK10: U45.G17 U52.G16
  other v1: 223,94 225.607,94 224,118
UNNAMED_1_SPIN5NODE_I203_TDI: U45.C16 U52.B18
  other v1: 225,99 224,102.704 223,122
UNNAMED_1_SPIN5NODE_I204_NCLK10: U56.G17 U64.G16 | length 32.6
  TOP w0.127: v1(320.001,78.777) 321.99,78.777 322.98,79.767 330.656,79.767 331.329,79.094 342.041,79.094 v1(343,78.135)
  BOTTOM w0.127: v1(343,70) 343,70.391 343.431,70.822 343.431,77.704 v1(343,78.135)
  other v1: 320,94
UNNAMED_1_SPIN5NODE_I204_TDO: U56.C16 U64.B18
  other v1: 345,75 336.931,77.607 316.131,79.326 312.131,79.556 311.931,85.901 319,98
UNNAMED_1_SPIN5NODE_I205_NCLK10: U55.G17 U56.G16
  other v1: 296,94 312.07,94.001 319,94
UNNAMED_1_SPIN5NODE_I205_TDO: U55.C16 U56.B18
  other v1: 302.393,97.865 295,98 312.069,98 321,99
UNNAMED_1_SPIN5NODE_I206_NCLK10: U54.G17 U55.G16 | length 43
  TOP w0.127: v1(286.927,92.172) v1(289,92.172)
  BOTTOM w0.127: v1(272,94) 272.431,94.431 272.431,100.05 272.812,100.431 273.434,100.431 275.403,102.4 v1(275.403,102.876) ; v1(284,103.482) 284.432,103.05 284.432,98.939 284.94,98.431 285.186,98.431 285.44,98.177 285.44,92.807 286.075,92.172 v1(286.927,92.172) ; v1(289,92.172) 288.689,91.861 288.689,87.534 288.789,87.434 294.05,87.434 294.431,87.815 294.431,93.431 295,94
UNNAMED_1_SPIN5NODE_I206_TDO: U54.C16 U55.B18
  other v1: 271,98 297,99 297,101.881
UNNAMED_1_SPIN5NODE_I207_NCLK10: U53.G17 U54.G16 | length 18
  BOTTOM w0.127: v1(261,102.866) 262.637,102.866 263.431,102.072 263.431,98.955 264.955,97.431 271.178,97.431 271.432,97.177 271.432,94.432 v1(271,94)
  other v1: 248,94
UNNAMED_1_SPIN5NODE_I207_TDO: U53.C16 U54.B18 | length 7
  TOP w0.127: v1(268,100.607) 273.034,100.607 273.431,100.21 273.431,99.431 v1(273,99)
  other v1: 247,98 250.545,99.516
UNNAMED_1_SPIN5NODE_I208_NCLK10: U52.G17 U53.G16
  other v1: 224,94 247,94
UNNAMED_1_SPIN5NODE_I208_TDO: U52.C16 U53.B18 | length 21.3
  TOP w0.127: v1(229.811,100.939) 237.177,100.939 237.685,100.431 249.232,100.431 249.431,100.232 249.431,99.431 v1(249,99)
  other v1: 223,98
V12_MGT: C6.1 C22.1 C23.1 C24.1 C25.1 C26.1 C27.1 C30.1 C44.1 C50.1 C51.1 R3.2 U3.7 U3.8 U12.A7 U12.A15 U12.B9 U12.B13 U12.C10 U12.D8 U12.D12 U12.D14 U12.E8 U12.E10 U12.E13 | length 7.9
  TOP w0.127: U12.A7@367.5,255.5 v1(367.5,256) ; v1(371.021,256.997) 371.078,256.997 371.53,257.449 R3.2@371.53,258
  TOP w0.2: U3.7@356.55,256.325 v1(357.175,256.325) ; U3.8@356.55,256.975 v1(357.175,256.975)
  TOP w0.4: v1(356.4,252.6) C44.1@356.4,253.5 v1(357.4,253.5) ; v1(356.4,259.4) C6.1@356.4,258.5 v1(357.4,258.5) ; v1(384,257.5) C30.1@385.1,257.5
  TOP w0.61: v2(359.76,252) v2@359.762,252 ; v2@361,257.238 v2(361,257.24) ; v2@363,257.238 v2(363,257.24) ; v2@365,257.238 v2(365,257.24) ; v2@378,257.238 v2(378,257.24) ; v2@380,257.238 v2(380,257.24) ; v2@382,257.238 v2(382,257.24) ; v2@384.238,253 v2(384.24,253)
  other v1: 368,252 370,252 374,252 368,253 373,253 375,253 370,254 369,255 374,255 376,256 371.871,258.908
V12_MGT_3: C1.1 C8.1 C9.1 C10.1 C11.1 C12.1 C13.1 C28.1 C39.1 C46.1 C47.1 R1.2 U1.7 U1.8 U10.A7 U10.A15 U10.B9 U10.B13 U10.C10 U10.D8 U10.D12 U10.D14 U10.E8 U10.E10 U10.E13 | length 5.6
  TOP w0.127: v1(249.021,256.997) 249.078,256.997 249.53,257.449 R1.2@249.53,258
  TOP w0.2: U1.7@234.55,256.825 v1(235.175,256.825) ; U1.8@234.55,257.475 v1(235.175,257.475)
  TOP w0.4: C39.1@234.4,254 v1(235.4,254) ; C1.1@234.4,259 v1(235.4,259) ; v1(262,257.5) C28.1@263.1,257.5
  other v1: 246,252 248,252 252,252 246,253 251,253 253,253 248,254 247,255 252,255 245,256 254,256 249.871,258.908
  other v2: 237.76,252 262.24,253 239,257.24 241,257.24 243,257.24 256,257.24 258,257.24 260,257.24
V12_MGT_4: C5.1 C15.1 C16.1 C17.1 C18.1 C19.1 C20.1 C29.1 C43.1 C48.1 C49.1 R2.2 U2.7 U2.8 U11.A7 U11.A15 U11.B9 U11.B13 U11.C10 U11.D8 U11.D12 U11.D14 U11.E8 U11.E10 U11.E13 | length 6.5
  TOP w0.127: v1(310.021,256.997) 310.078,256.997 310.53,257.449 R2.2@310.53,258
  TOP w0.2: U2.7@295.55,256.325 v1(296.175,256.325) ; U2.8@295.55,256.975 v1(296.175,256.975)
  TOP w0.4: C43.1@295.4,253.5 v1(296.4,253.5) ; v1(295.4,259.4) C5.1@295.4,258.5 v1(296.4,258.5) ; v1(323,257.5) C29.1@324.1,257.5
  other v1: 307,252 309,252 313,252 307,253 312,253 314,253 309,254 308,255 313,255 306,256 315,256 310.871,258.908
  other v2: 298.76,252 323.24,253 300,257.24 302,257.24 304,257.24 317,257.24 319,257.24 321,257.24

## Text inside footprints (layer, text, board x,y; h text height)
J15: PIN_NUMBER "C3" at 387.07,76.45 h0.8; PIN_NUMBER "A3" at 392.15,76.45 h0.8; PIN_NUMBER "A1" at 392.15,81.53 h0.8; PIN_NUMBER "C2" at 387.07,78.99 h0.8; PIN_NUMBER "A2" at 392.15,78.99 h0.8; PIN_NUMBER "C16" at 386.43,43.43 h0.8; PIN_NUMBER "C15" at 386.43,45.97 h0.8; PIN_NUMBER "C14" at 386.43,48.51 h0.8; PIN_NUMBER "C13" at 386.43,51.05 h0.8; PIN_NUMBER "C12" at 386.43,53.59 h0.8; PIN_NUMBER "C11" at 386.43,56.13 h0.8; PIN_NUMBER "C10" at 386.43,58.67 h0.8; PIN_NUMBER "C9" at 387.07,61.21 h0.8; PIN_NUMBER "C1" at 387.07,81.53 h0.8; PIN_NUMBER "A8" at 392.15,63.75 h0.8; PIN_NUMBER "C8" at 387.07,63.75 h0.8; PIN_NUMBER "C4" at 387.07,73.91 h0.8; PIN_NUMBER "A16" at 391.51,43.43 h0.8; PIN_NUMBER "A15" at 391.51,45.97 h0.8; PIN_NUMBER "A14" at 391.51,48.51 h0.8; PIN_NUMBER "A13" at 391.51,51.05 h0.8; PIN_NUMBER "A12" at 391.51,53.59 h0.8; PIN_NUMBER "A11" at 391.51,56.13 h0.8; PIN_NUMBER "A10" at 391.51,58.67 h0.8; PIN_NUMBER "A9" at 392.15,61.21 h0.8; PIN_NUMBER "C6" at 387.07,68.83 h0.8; PIN_NUMBER "A6" at 392.15,68.83 h0.8; PIN_NUMBER "A4" at 392.15,73.91 h0.8; PIN_NUMBER "C5" at 387.07,71.37 h0.8; PIN_NUMBER "A5" at 392.15,71.37 h0.8; PIN_NUMBER "C7" at 387.07,66.29 h0.8; PIN_NUMBER "A7" at 392.15,66.29 h0.8
J16: PIN_NUMBER "6" at 200.828,44.09 h0.64 r270; PIN_NUMBER "3" at 200.808,47.9 h0.64 r270; PIN_NUMBER "2" at 200.748,49.17 h0.64 r270; PIN_NUMBER "1" at 200.748,50.43 h0.64 r270; PIN_NUMBER "4" at 200.828,46.6 h0.64 r270; PIN_NUMBER "5" at 200.828,45.35 h0.64 r270; PIN_NUMBER "8" at 200.868,41.54 h0.64 r270; PIN_NUMBER "7" at 200.808,42.82 h0.64 r270
M1: PIN_NUMBER "7" at 227.737,43.43 h0.64; PIN_NUMBER "8" at 227.737,46.6 h0.64; PIN_NUMBER "9" at 227.737,49.77 h0.64; PIN_NUMBER "6" at 227.737,40.26 h0.64; PIN_NUMBER "1" at 208.687,52.94 h0.64; PIN_NUMBER "10" at 227.229,52.94 h0.64; PIN_NUMBER "2" at 211.877,37.06 h0.64; PIN_NUMBER "5" at 227.737,37.09 h0.64; PIN_NUMBER "11" at 214.839,52.938 h0.64; PIN_NUMBER "4" at 224.567,37.06 h0.64; PIN_NUMBER "3" at 215.047,37.06 h0.64